# Altium PCB power_board.PcbDoc (part 1 of 2) (continued)
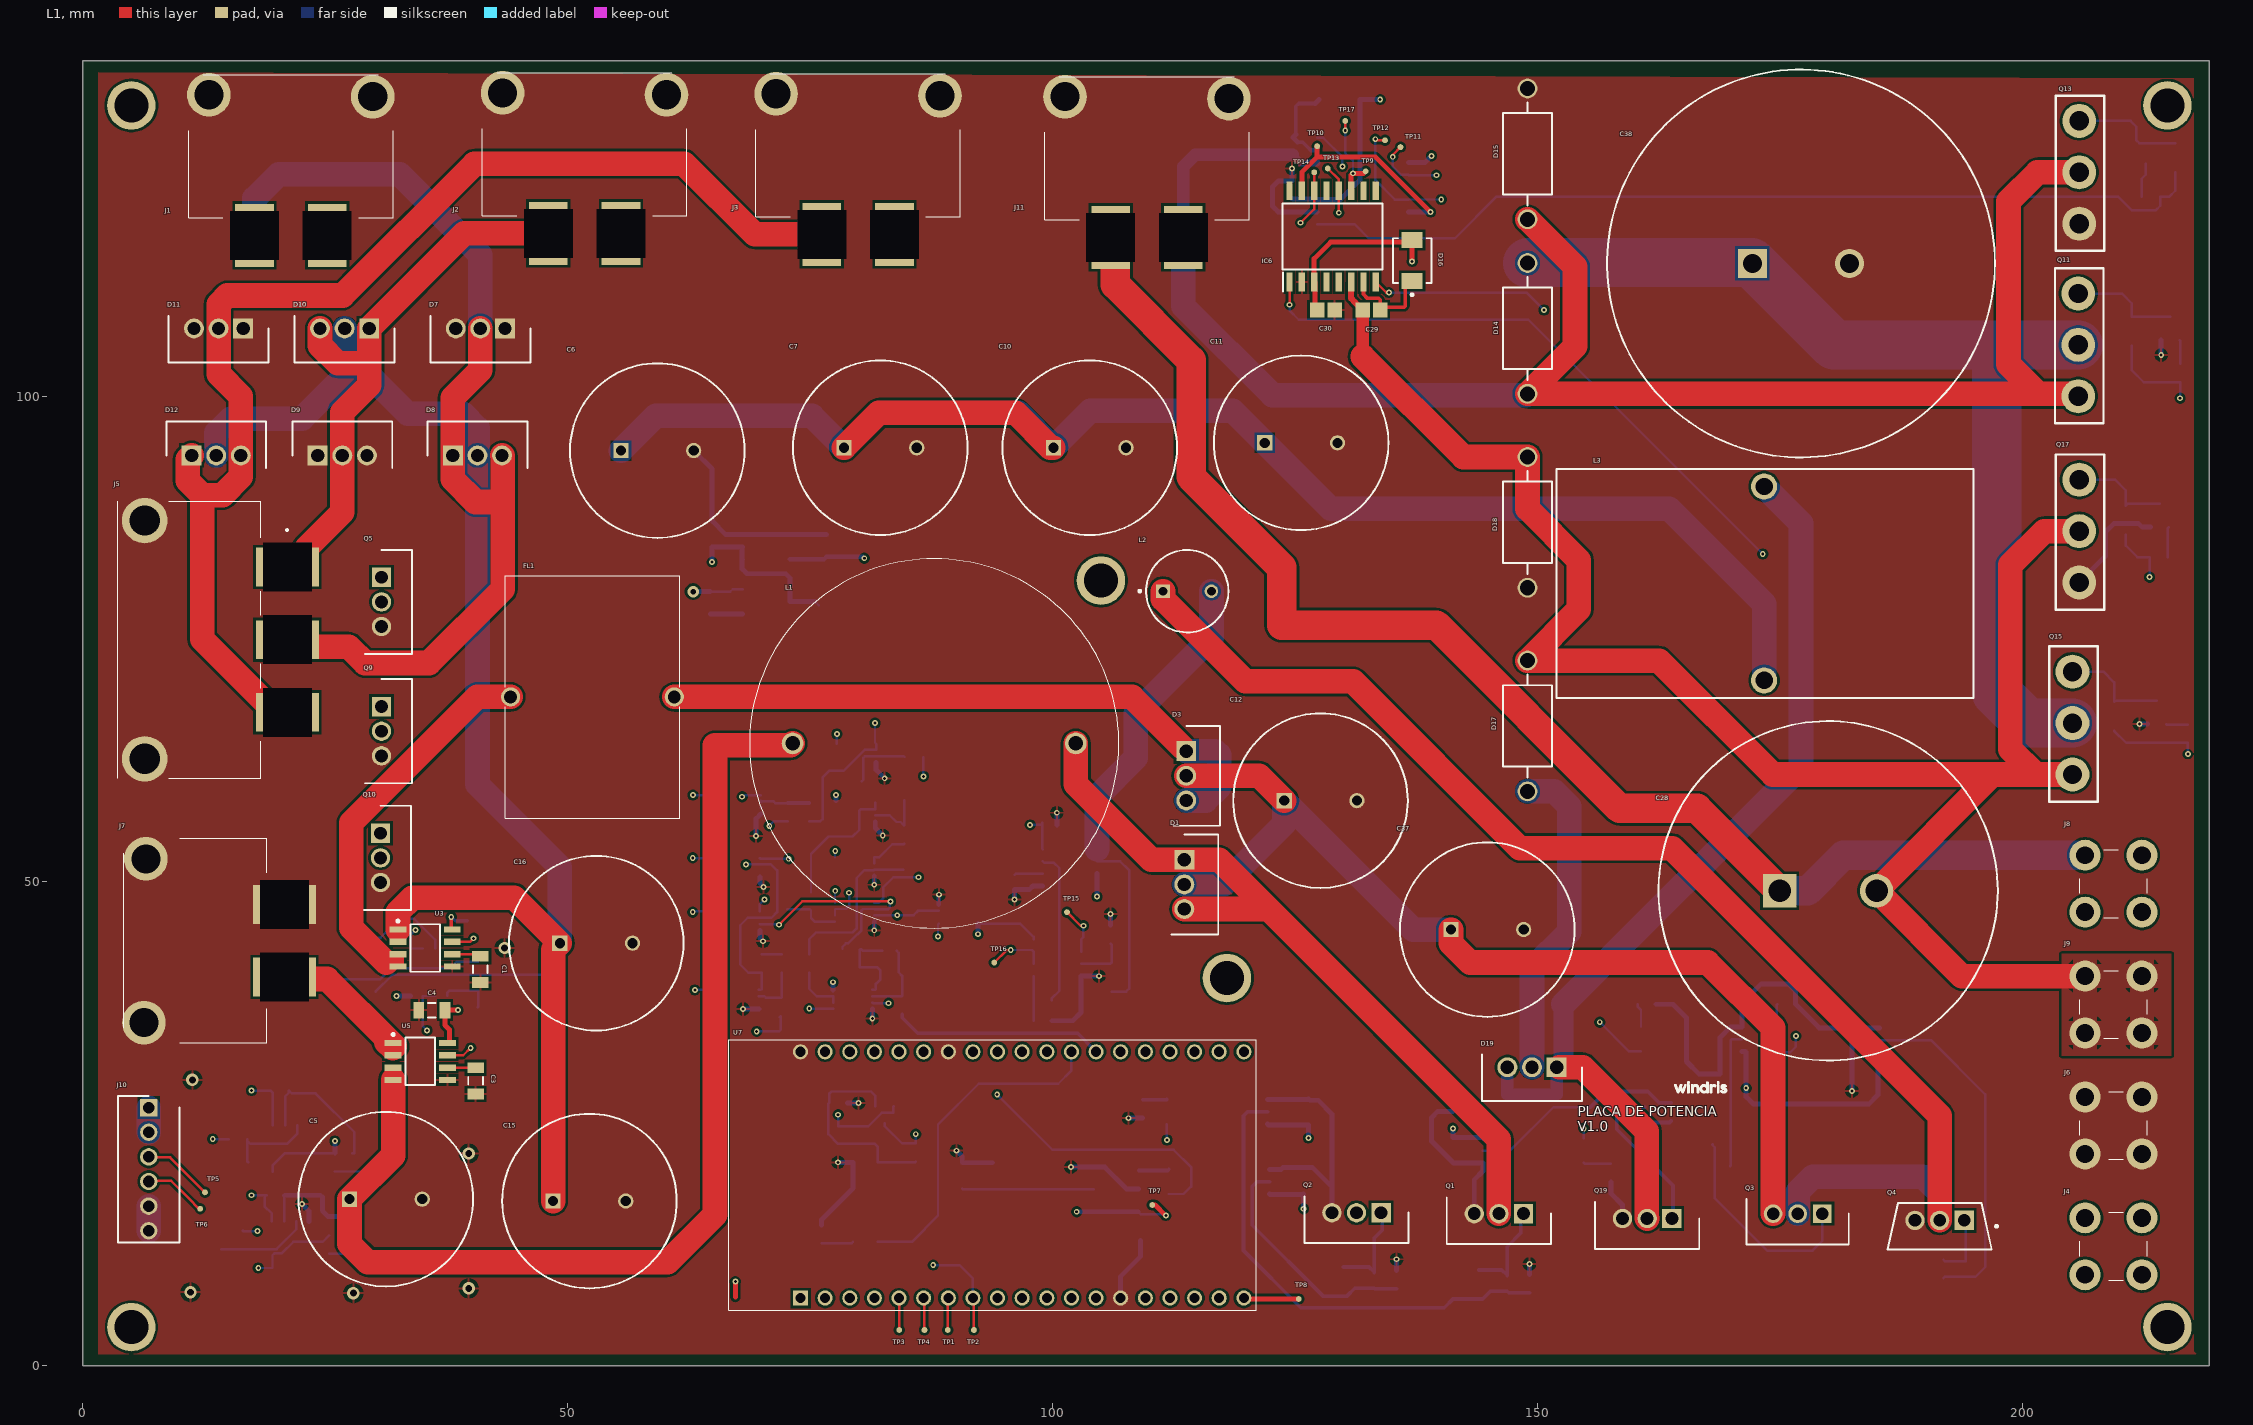
[diagram p0: L1 view]
## Components (designator, comment, footprint, x,y, rotation, side; value= is the part's Value field where it differs from the comment)
C1 "Cap Semi" C1206 41,40.9 r90 top value=1nF/10V
C2 "Cap Semi" C1206 41,45.9 r180 bottom value=100nF/10V
C3 "Cap Semi" C1206 40.5,29.4 r90 top value=1nF/10V
C4 "Cap Semi" C1206 36,36.7 r0 top value=100nF/10V
C5 "1000uF/100V" CAPPRD750W85D1800H3750 27.5,17.2 r0 top
C6 "1000uF/100V" CAPPRD750W85D1800H3750 55.5,94.4 r0 top
C7 "1000uF/100V" CAPPRD750W85D1800H3750 78.5,94.7 r0 top
C8 "Cap Pol1" C1206 126.4,26.2 r90 bottom value=1uF/50V
C9 "Cap Pol1" C1206 125.9,19.1 r90 bottom value=1uF/50V
C10 "1000uF/100V" CAPPRD750W85D1800H3750 100.1,94.7 r0 top
C11 "1000uF/100V" CAPPRD750W85D1800H3750 121.9,95.2 r0 top
C12 "1000uF/100V" CAPPRD750W85D1800H3750 123.9,58.3 r0 top
C13 "Cap Pol1" C1206 170.2,30.1 r180 bottom value=1uF/50V
C14 "Cap Pol1" C1206 183.8,30.2 r180 bottom value=1uF/50V
C15 "1000uF/100V" CAPPRD750W85D1800H3750 48.5,17 r0 top
C16 "1000uF/100V" CAPPRD750W85D1800H3750 49.2,43.6 r0 top
C17 "Cap Semi" C1206 109.1,14.3 r90 bottom value=10uF/25V
C18 "Cap Semi" C1206 93.8,19.6 r270 bottom value=10uF/25V
C19 "Cap Semi" C1206 90.7,19.6 r270 bottom value=100nF/25V
C20 "2.2uF/16V" KEMT-T491-A_L 64.7,78.7 r270 bottom
C21 "Cap Pol1" C1206 75.9,77.1 r270 bottom value=1uF/50V
C22 "2.2uF/16V" KEMT-T491-A_L 76.7,84.6 r90 bottom
C23 "Cap Pol1" C1206 64.9,85.8 r90 bottom value=1uF/50V
C24 "7.5nF/50V" CAPC2013X135X45LL10T25 83.2,42.8 r0 bottom
C25 "1uF/16V" CAPC2013X140X50ML20T25 124.8,125.8 r270 bottom
C26 "1uF/16V" CAPC2013X140X50ML20T25 124.7,121.3 r270 bottom
C27 "1uF/25V" CAPC2013X135X45LL10T25 79.4,41.1 r0 bottom
C28 "470uF/400V" CAPPRD1000W210D3500H3700 175,49 r0 top
C29 "1uF/16V" CAPC2013X140X50ML20T25 132.9,108.9 r0 top
C30 "1uF/16V" CAPC2013X140X50ML20T25 128.2,108.9 r0 top
C31 "220nF/16V" CAPC2013X135X45LL10T25 84.6,50.4 r90 bottom
C32 "220nF/16V" CAPC2013X135X45LL10T25 72.655,47.848 r270 bottom
C33 "220nF/16V" CAPC2013X135X45LL10T25 84.7,59.1 r270 bottom
C34 "220nF/16V" CAPC2013X135X45LL10T25 79.6,60.3 r0 bottom
C35 "1nF/10V" FP-C0805C-DN-MFG 96.1,49.9 r270 bottom value="1,000 pF"
C36 "100nF/10v" FP-C0805C-DN-MFG 99.7,55.8 r0 bottom value="10,000 pF"
C37 "1000uF/100V" CAPPRD750W85D1800H3750 141.1,45 r0 top
C38 "1000uF/450V" CAPPRD1000W180D4000H8200 172.2,113.7 r0 top
C39 "Cap Pol1" C1206 141.3,24.9 r90 bottom value=1uF/50V
D1 "RB228T150NZC9" TO254P480X1010X2100-3P 113.6,52.2 r270 top
D2 "SD0805S020S1R0" DIOM1613X100N 146.9,8.5 r90 bottom
D3 "RB228T150NZC9" TO254P480X1010X2100-3P 113.8,63.4 r270 top
D4 "SD0805S020S1R0" DIOM1613X100N 133.2,8.8 r90 bottom
D5 "SD0805S020S1R0" DIOM1613X100N 169.1,20.6 r180 bottom
D6 "SD0805S020S1R0" DIOM1613X100N 194.2,10 r90 bottom
D7 "RB228T150NZC9" TO254P480X1010X2100-3P 43.54,107 r180 top
D8 "RB228T150NZC9" TO254P480X1010X2100-3P 38.16,93.9 r0 top
D9 "RB228T150NZC9" TO254P480X1010X2100-3P 24.22,93.9 r0 top
D10 "RB228T150NZC9" TO254P480X1010X2100-3P 29.54,107 r180 top
D11 "RB228T150NZC9" TO254P480X1010X2100-3P 16.54,107 r180 top
D12 "RB228T150NZC9" TO254P480X1010X2100-3P 11.22,93.9 r0 top
D13 "STPS3L60U" FP-SMB-MFG 129.6,130.6 r0 bottom
D14 "MR851RLG" ONSC-AXIAL_LEAD-2-267-05_V 149,107 r270 top
D15 "MR851RLG" ONSC-AXIAL_LEAD-2-267-05_V 149,125 r90 top
D16 "STPS3L60U" FP-SMB-MFG 137.1,114 r90 top
D17 "MR851RLG" ONSC-AXIAL_LEAD-2-267-05_V 149,66 r90 top
D18 "MR851RLG" ONSC-AXIAL_LEAD-2-267-05_V 149,87 r270 top
D19 "RB228T150NZC9" TO254P480X1010X2100-3P 152,30.8 r180 top
D20 "SD0805S020S1R0" DIOM1613X100N 161.1,25.9 r90 bottom
FL1 "DENO-25-0001" DENO250001 44.12,69 r0 top
IC1 "TLP5754H_D4TP4,E" SOIC127P1105X230-6N 117,26.2 r0 bottom
IC2 "TLP5754H_D4TP4,E" SOIC127P1105X230-6N 117.2,19 r0 bottom
IC3 "TLP5754H_D4TP4,E" SOIC127P1105X230-6N 165.9,33.7 r0 bottom
IC4 "TLP5754H_D4TP4,E" SOIC127P1105X230-6N 180.1,33.6 r0 bottom
IC5 "IR2110STRPBF" SOIC127P1032X265-16N 132,122.2 r0 bottom
IC6 "IR2110STRPBF" SOIC127P1032X265-16N 128.9,116.5 r90 top
IC7 "TLP5754H_D4TP4,E" SOIC127P1105X230-6N 149.6,22.2 r180 bottom
J1 "172043-0202" 1720430202 25.2,116.2 r0 top
J2 "172043-0202" 1720430202 55.5,116.4 r0 top
J3 "172043-0202" 1720430202 83.7,116.3 r0 top
J4 "74651174R" 74651174R 206.5,9.4 r90 top
J5 "172043-0302" 1720430302 21.1,82.39 r90 top
J6 "74651174R" 74651174R 206.5,21.867 r90 top
J7 "172043-0202" 1720430202 21.2,47.6 r90 top
J8 "74651174R" 74651174R 206.5,52.67 r0 top
J9 "74651174R" 74651174R 206.5,40.203 r0 top
J10 "171856-0006" HDRV6W99P0X254_1X6_1509X635X1100P 6.8,26.64 r270 top
J11 "172043-0202" 1720430202 113.5,116 r0 top
L1 "220uH" 1140221KRC 73.2,64.2 r0 top
L2 "RL622-101K-RC" INDR62-500-1100X850X1100 113.9,79.9 r0 top value=57mH
L3 "260uF" ATCA08251MV 173.4,70.7 r90 top
Q1 "IRFI4110GPBF" TO254P483X1018X2095-3P 148.58,15.7 r180 top
Q2 "IRFI4110GPBF" TO254P483X1018X2095-3P 133.9,15.8 r180 top
Q3 "IRF9540NPBF" TO254P469X1042X1967-3P 179.4,15.7 r180 top
Q4 "IRFI4110GPBF" FP-PG-TO220-3-MFG 191.5,14.4 r270 top
Q5 "IRFI4110GPBF" TO254P483X1018X2095-3P 30.8,81.34 r270 top
Q6 "BC816-25HVL" FP-SOT23-IPC_C 82.7,25.9 r270 bottom
Q7 "PC817XNNIP0F" FP-PC817XNNIP0F-MFG 80.7,16.9 r90 bottom
Q8 "2SB1707TL" SOT95P280X100-3N 77.9,25.9 r270 bottom
Q9 "IRFI4110GPBF" TO254P483X1018X2095-3P 30.8,68 r270 top
Q10 "IRFI4110GPBF" TO254P483X1018X2095-3P 30.7,54.94 r270 top
Q11 "SCT30N120" TO-247-3 205.8,105.3 r270 top
Q12 "2SB1707TL" SOT95P280X100-3N 215.3,107 r90 bottom
Q13 "SCT30N120" TO-247-3 205.9,123.1 r270 top
Q14 "2SB1707TL" SOT95P280X100-3N 211.8,125.2 r90 bottom
Q15 "SCT30N120" TO-247-3 205.2,66.3 r270 top
Q16 "2SB1707TL" SOT95P280X100-3N 213.9,67.4 r90 bottom
Q17 "SCT30N120" TO-247-3 205.9,86.1 r270 top
Q18 "2SB1707TL" SOT95P280X100-3N 214.2,87.7 r90 bottom
Q19 "IRFI4110GPBF" TO254P483X1018X2095-3P 163.88,15.2 r180 top
R1 "191K, 1/4W, 1%" RESC3216X60N 30.2,40.1 r90 bottom
R2 "191K, 1/4W, 1%" RESC3216X60N 40.8,40.2 r270 bottom
R3 "10K, 1/4W, 1%" RES-0805 29.2,43.6 r0 bottom
R4 "10K, 1/4W, 1%" RES-0805 41.7,36.5 r180 bottom
R5 "100K, 1/4W, 1%" RES-0805 20.3,28.4 r180 bottom
R6 "100K, 1/4W, 1%" RES-0805 26,21 r270 bottom
R7 "100K, 1/4W, 1%" RES-0805 28,21 r90 bottom
R8 "100K, 1/4W, 1%" RES-0805 16,23.4 r0 bottom
R9 "100K, 1/4W, 1%" RES-0805 16.1,21 r0 bottom
R10 "100K, 1/4W, 1%" RES-0805 30,21 r90 bottom
R11 "100K, 1/4W, 1%" RES-0805 19.9,17.6 r180 bottom
R12 "100K, 1/4W, 1%" RES-0805 25.4,12.5 r270 bottom
R13 "100K, 1/4W, 1%" RES-0805 27.4,12.5 r90 bottom
R14 "100K, 1/4W, 1%" RES-0805 16.5,13 r270 bottom
R15 "100K, 1/4W, 1%" RES-0805 14.3,13 r270 bottom
R16 "100K, 1/4W, 1%" RES-0805 29.4,12.5 r90 bottom
R17 "10R, 1/2W, 5%" RESC3216X60N 144,8.4 r90 bottom
R18 "100K, 1/4W, 5%" RES-0805 149.2,8.5 r270 bottom
R19 "470R, 1/4W, 5%" RES-0805 109.3,26.5 r90 bottom
R20 "10R, 1/2W, 5%" RESC3216X60N 130,8.7 r90 bottom
R21 "100K, 1/4W, 5%" RES-0805 135.5,8.9 r270 bottom
R22 "470R, 1/4W, 5%" RES-0805 108.9,19.2 r90 bottom
R23 "10R, 1/2W, 5%" RES-0805 169,22.8 r180 bottom
R24 "550R, 1/4W, 5%" RES-0805 161.3,37.3 r180 bottom
R25 "10R, 1/2W, 5%" RES-0805 191.9,10 r90 bottom
R26 "550R, 1/4W, 5%" RES-0805 175.7,37.3 r180 bottom
R27 "1K, 1/4W, 5%" RES-0805 85.9,22 r90 bottom
R28 "470R, 1/4W, 5%" RES-0805 76.2,13.6 r270 bottom
R29 "10R, 1/2W, 5%" RESC3216X60N 211.3,106.7 r90 bottom
R30 "1K, 1/4W, 5%" RES-0805 216.3,102.4 r90 bottom
R31 "100K, 1/4W, 1%" RES-0805 83.2,40.8 r180 bottom
R32 "1K, 1/4W, 1%" RES-0805 84.5,37.2 r90 bottom
R33 "100K, 1/4W, 5%" RES-0805 79.3,43 r180 bottom
R34 "10R, 1/2W, 5%" RESC3216X60N 215.8,124.6 r90 bottom
R35 "1K, 1/4W, 5%" RES-0805 213.3,120.6 r180 bottom
R36 "1K, 1/4W, 1%" RES-0805 72.1,41.5 r90 bottom
R37 "200R, 1/4W, 1%" RES-0805 70,41.5 r270 bottom
R38 "1K, 1/4W, 1%" RES-0805 72,37 r90 bottom
R39 "10R, 1/2W, 5%" RESC3216X60N 209.5,67 r90 bottom
R40 "1K, 1/4W, 5%" RES-0805 217.1,65.2 r90 bottom
R41 "100K, 1/8W, 1%" RES-0805 72.7,57.1 r270 bottom
R42 "12K, 1/8W, 1%" RES-0805 74.9,57.1 r90 bottom
R43 "120K, 1/8W, 1%" RES-0805 74.9,41.5 r90 bottom
R44 "10R, 1/2W, 5%" RESC3216X60N 210.7,87.2 r90 bottom
R45 "1K, 1/4W, 5%" RES-0805 214.1,83.4 r0 bottom
R46 "120K, 1/8W, 1%" RES-0805 84.7,54.8 r270 bottom
R47 "120K, 1/8W, 1%" RES-0805 85.7,62.8 r0 bottom
R48 "120K, 1/8W, 1%" RES-0805 75.1,47.9 r90 bottom
R49 "191K, 1/4W, 1%" RESC3216X60N 106.1,40.1 r90 bottom
R50 "10K, 1/4W, 1%" RES-0805 106,44.5 r270 bottom
R51 "80K, 1/8W, 1%" RES-0805 99,37.7 r180 bottom
R52 "100K, 1/4W, 1%" RES-0805 99,35.6 r180 bottom
R53 "10R, 1/2W, 5%" RESC3216X60N 156.7,26.7 r0 bottom
R54 "100K, 1/4W, 5%" RES-0805 163.8,26.2 r90 bottom
R55 "470R, 1/4W, 5%" RES-0805 157.6,19.9 r90 bottom
TP1 "TPAD6R" TP06R 89.2,3.7 r90 top
TP2 "TPAD6R" TP06R 91.9,3.7 r90 top
TP3 "TPAD6R" TP06R 84.2,3.7 r90 top
TP4 "TPAD6R" TP06R 86.8,3.7 r90 top
TP5 "TPAD6R" TP06R 12.6,17.9 r90 top
TP6 "TPAD6R" TP06R 12.1,16.2 r90 top
TP7 "TPAD6R" TP06R 110.3,16.6 r90 top
TP8 "TPAD6R" TP06R 125.4,6.9 r90 top
TP9 "TPAD6R" TP06R 132.3,123.2 r90 top
TP10 "TPAD6R" TP06R 127.3,125.8 r90 top
TP11 "TPAD6R" TP06R 135.9,125.7 r90 top
TP12 "TPAD6R" TP06R 134.3,126.4 r90 top
TP13 "TPAD6R" TP06R 128.4,123.5 r90 top
TP14 "TPAD6R" TP06R 127,123.1 r90 top
TP15 "TPAD6R" TP06R 101.5,46.8 r90 top
TP16 "TPAD6R" TP06R 94,41.6 r90 top
TP17 "TPAD6R" TP06R 130.2,128.4 r90 top
U1 "AD8616ARZ-REEL7" ADI-R-8_M 35.7,40.6 r270 bottom
U2 "AD8616ARZ-REEL7" ADI-R-8_N 21.5,22.4 r270 bottom
U3 "ACS712ELCTR-20A-T" ALEG-LC-8_V 35.3,43.1 r270 top
U4 "AD8616ARZ-REEL7" ADI-R-8_N 21.4,12.5 r270 bottom
U5 "ACS712ELCTR-20A-T" ALEG-LC-8_V 34.8,31.4 r270 top
U6 "NCP1117ST50T3G" FP-318H-MFG 101.1,18.2 r180 bottom
U7 "ESP32-DEVKITC-32D" MODULE_ESP32-DEVKITC-32D 93.78,19.7 r90 top
U8 "LK115D50-TR" SO8_M 70.5,78.2 r180 bottom
U9 "LK115D50-TR" SO8_M 70.5,85.1 r0 bottom
U10 "AD8566ARMZ-R2" ADI-RM-8_L 79.4,37.8 r180 bottom
U11 "AD8566ARMZ-R2" ADI-RM-8_L 79.6,46.8 r180 bottom
U12 "AD8566ARMZ-R2" ADI-RM-8_L 90.3,46.6 r0 bottom
U13 "AD8566ARMZ-R2" ADI-RM-8_L 67.7,37.8 r180 bottom
U14 "AD8566ARMZ-R2" ADI-RM-8_L 67.8,45.9 r180 bottom
U15 "AD8566ARMZ-R2" ADI-RM-8_L 67.8,51.4 r180 bottom
U16 "AD8566ARMZ-R2" ADI-RM-8_L 67.9,57.9 r180 bottom
U17 "AD8566ARMZ-R2" ADI-RM-8_L 79.6,51.5 r180 bottom
U18 "AD8566ARMZ-R2" ADI-RM-8_L 79.7,57.1 r180 bottom
U19 "AD8566ARMZ-R2" ADI-RM-8_L 79.8,63.2 r180 bottom
U20 "AD8616ARZ-REEL7" ADI-R-8_M 100.5,42.1 r180 bottom
U21 "ACS712ELCTR-20A-T" ALEG-LC-8_V 101.8,51.4 r270 bottom

## Footprints (in the part's own frame and the unit in brackets; to place one, negate y for a bottom-side part, rotate by r counter-clockwise, add the part's x,y. Pads: shape width x height; smd on the part's side, far side on the other; paste and mask are expansions set on the pad)
1140221KRC [mm]
  round 2.243 hole 1.495: 1(0,0) 2(29.21,0)
  silkscreen extent -4.44,-19.05 33.65,19.05, body extent -4.44,-19.05 33.66,19.05, height 26.53
74651174R [mm]
  round 3.2 hole 1.85: 1(0,0) 2(0,-5.87) 3(5.87,-5.87) 4(5.87,0)
  silkscreen extent -0.57,-6.44 6.44,0.57, body extent -0.5,-6.5 6.5,0.5, height 8
1720430202 [mm]
  rect 4x6.5 hole 5 square: 1(0,0.4) 2(-7.49,0.4)
  round 4.5 hole 3: 3(-12.2,14.9) 4(4.7,14.7)
  silkscreen extent -14.28,2.21 6.8,16.97, body extent -14.14,-2 6.94,17.88, height 13.4
1720430302 [mm]
  rect 4x6.5 hole 5 square: 1(0,0) 2(-7.49,0) 3(-14.98,0)
  round 4.695 hole 3.13: MH1(4.8,14.715) MH2(-19.78,14.715)
  silkscreen extent -21.77,-0.06 6.81,17.49, body extent -21.79,-2.18 6.79,17.7, height 13.4
ADI-R-8_M [mm] "SOIC, 8-Leads, Body 4.9x3.9mm, Pitch 1.27mm, IPC Low Density"
  oval 2.5x0.7 smd: 1(-2.45,1.905) 2(-2.45,0.635) 3(-2.45,-0.635) 4(-2.45,-1.905) 5(2.45,-1.905) 6(2.45,-0.635) 7(2.45,0.635) 8(2.45,1.905)
  silkscreen extent -2.57,-2.5 0.8,2.93, body extent -2,-2.5 2,2.5, height 1.75
ADI-R-8_N [mm] "SOIC, 8-Leads, Body 4.9x3.9mm, Pitch 1.27mm, IPC Medium Density"
  oval 2.2x0.6 smd: 1(-2.4,1.905) 2(-2.4,0.635) 3(-2.4,-0.635) 4(-2.4,-1.905) 5(2.4,-1.905) 6(2.4,-0.635) 7(2.4,0.635) 8(2.4,1.905)
  silkscreen extent -2.52,-2.5 0.9,2.88, body extent -2,-2.5 2,2.5, height 1.75
ADI-RM-8_L [mm] "SOP, 8-Leads, Body 3x3mm, Pitch 0.65mm, IPC High Density"
  oval 1.5x0.45 smd: 1(-2.025,0.975) 2(-2.025,0.325) 3(-2.025,-0.325) 4(-2.025,-0.975) 5(2.025,-0.975) 6(2.025,-0.325) 7(2.025,0.325) 8(2.025,0.975)
  silkscreen extent -2.15,-1.6 0.87,1.87, body extent -1.6,-1.6 1.6,1.6, height 1.1
ALEG-LC-8_V [mm] "SOIC, 8-Leads, Body 4.9x3.9mm, Pitch 1.27mm"
  rect 0.65x1.75 smd: 1(-1.905,-2.8) 2(-0.635,-2.8) 3(0.635,-2.8) 4(1.905,-2.8) 5(1.905,2.8) 6(0.635,2.8) 7(-0.635,2.8) 8(-1.905,2.8)
  silkscreen extent -2.9,-2.92 2.45,1.53, body extent -2.45,-1.95 2.45,1.95, height 1.75
ATCA08251MV [mm]
  round 2.7 hole 1.8: 1(0,0) 2(20,0)
  silkscreen extent -1.8,-21.6 21.8,21.4, body extent -0.92,-21.57 21.02,21.37, height 45.23
C1206 [mm] "Chip Capacitor, Body 3.2x1.6mm, IPC High Density"
  rect 1.1x1.7 smd: 1(-1.35,0) 2(1.35,0)
  silkscreen extent -0.4,-0.75 0.4,0.75, body extent -1.7,-0.9 1.7,0.9, height 1.3
CAPC2013X135X45LL10T25 [mm] "Chip Capacitor, 2-Leads, Body 2.00x1.25mm, IPC High Density"
  rect 1x1.3 smd: 1(-0.75,0) 2(0.75,0)
  body extent -1.05,-0.67 1.05,0.68, height 1.35
CAPC2013X140X50ML20T25 [mm] "Chip Capacitor, 2-Leads, Body 2.00x1.25mm, IPC Low Density"
  rect 1.5x1.55 smd: 1(-0.9,0) 2(0.9,0)
  body extent -1.1,-0.72 1.1,0.72, height 1.4
CAPPRD750W85D1800H3750 [mm]
  rect 1.575x1.575 hole 1.05: 1(0,0)
  round 1.575 hole 1.05: 2(7.5,0)
  silkscreen extent -5.25,-9 12.75,9, body extent -5.5,-9.25 13,9.25, height 37.5
CAPPRD1000W180D4000H8200 [mm]
  rect 3x3 hole 2: 1(0,0)
  round 3 hole 2: 2(10,0)
  silkscreen extent -15,-20 25,20, body extent -15.5,-20.49 25.5,20.49, height 82
CAPPRD1000W210D3500H3700 [mm]
  rect 3.45x3.45 hole 2.3: 1(0,0)
  round 3.45 hole 2.3: 2(10,0)
  silkscreen extent -12.5,-17.5 22.5,17.5, body extent -12.5,-17.5 22.5,17.5, height 37
DENO250001 [mm]
  round 1.98 hole 1.32: 1(0,0) 2(16.88,0)
  silkscreen extent -0.56,-12.5 17.44,12.5, body extent -0.56,-12.5 17.44,12.5, height 25.1
DIOM1613X100N [mm]
  rect 1.15x1.05 smd: 1(-0.8,0) 2(0.8,0)
  silkscreen extent -1.33,-0.65 0.8,0.65, body extent -0.8,-0.65 0.8,0.65, height 1
FP-318H-MFG [mm]
  rect 2x1.5 smd paste+0 mask+0: 1(-3.15,2.3) 2(-3.15,0) 3(-3.15,-2.3)
  rect 2x3.8 smd paste+0 mask+0: 4(3.15,0)
  silkscreen extent -4.88,-3.35 1.85,3.35, body extent -1.85,-3.35 1.85,3.35, height 1.8
FP-C0805C-DN-MFG [mm]
  rect 0.95x1.35 smd paste+0 mask+0: 1(-0.75,0) 2(0.75,0)
  silkscreen extent -1.1,-1.07 1.1,1.07, body extent -1,-0.63 1,0.62, height 0.88
FP-PC817XNNIP0F-MFG [mm]
  rect 2.2x1.7 smd paste+0 mask+0: 1(-4.1,1.27) 2(-4.1,-1.27) 3(4.1,-1.27) 4(4.1,1.27)
  silkscreen extent -5.87,-2.54 3.5,2.54, body extent -5,-2.29 5,2.29, height 4.6
FP-PG-TO220-3-MFG [mm]
  rect 2x2 hole 1.3 paste-1000 mask+0: 1(-0.61,2.54)
  round 2 hole 1.3 paste-1000 mask+0: 2(-0.61,0) 3(-0.61,-2.54)
  silkscreen extent -2.41,-5.38 2.41,6, body extent -2.51,-5.48 2.51,5.48, height 0.25
FP-SMB-MFG [mm]
  rect 1.62x2.18 smd paste+0 mask+0: 1(-2.11,0) 2(2.11,0)
  silkscreen extent -3.65,-1.97 2.3,1.97, body extent -2.67,-1.81 2.68,1.81, height 2.65
FP-SOT23-IPC_C [mm]
  rect 1.055x0.522 smd paste+0 mask+0: 1(-0.875,0.95)
  rrect100% 1.055x0.522 smd paste+0 mask+0: 2(-0.875,-0.95) 3(0.875,0)
  silkscreen extent 0,-1.45 0.65,1.45, body extent -1.15,-1.45 1.15,1.45, height 1.1
HDRV6W99P0X254_1X6_1509X635X1100P [mm]
  rect 1.8x1.8 hole 1.2: 1(0,0)
  round 1.8 hole 1.2: 2(2.54,0) 3(5.08,0) 4(7.62,0) 5(10.16,0) 6(12.7,0)
  silkscreen extent -1.19,-3.18 13.89,3.18, body extent -1.14,-3.17 13.94,3.17, height 10.63
INDR62-500-1100X850X1100 [mm] "THD, 2-Leads, Dia 8.5mm, Pitch 5mm"
  rect 1.4x1.4 hole 0.9: 1(-2.5,0)
  round 1.4 hole 0.9: 2(2.5,0)
  silkscreen extent -5.02,-4.25 4.25,4.25, body extent -4.25,-4.25 4.25,4.25, height 11
KEMT-T491-A_L [mm] "Molded Capacitor, 2-Leads, Body 3.40x1.80mm, IPC High Density"
  rect 1.45x1.15 smd: 1(-1.15,0) 2(1.15,0)
  silkscreen extent -2.37,-0.9 1.7,0.9, body extent -1.7,-0.91 1.7,0.89, height 1.78
MODULE_ESP32-DEVKITC-32D [mm]
  rect 1.56x1.56 hole 1.04: 1(-12.7,19.76)
  round 1.56 hole 1.04: 2(-12.7,17.22) 3(-12.7,14.68) 4(-12.7,12.14) 5(-12.7,9.6) 6(-12.7,7.06) 7(-12.7,4.52) 8(-12.7,1.98) 9(-12.7,-0.56) 10(-12.7,-3.1) 11(-12.7,-5.64) 12(-12.7,-8.18) 13(-12.7,-10.72) 14(-12.7,-13.26) 15(-12.7,-15.8) 16(-12.7,-18.34) 17(-12.7,-20.88) 18(-12.7,-23.42) 19(-12.7,-25.96) 20(12.7,19.76) 21(12.7,17.22) 22(12.7,14.68) 23(12.7,12.14) 24(12.7,9.6) 25(12.7,7.06) 26(12.7,4.52) 27(12.7,1.98) 28(12.7,-0.56) 29(12.7,-3.1) 30(12.7,-5.64) 31(12.7,-8.18) 32(12.7,-10.72) 33(12.7,-13.26) 34(12.7,-15.8) 35(12.7,-18.34) 36(12.7,-20.88) 37(12.7,-23.42) 38(12.7,-25.96)
  silkscreen extent -13.95,-27.25 13.95,27.15, body extent -14.1,-27.93 13.84,27.17, height 6.7
ONSC-AXIAL_LEAD-2-267-05_V [mm] "AXIAL, 2-Leads, Diameter 5.05mm"
  round 2.05 hole 1.55: 1(-6.745,0) 2(6.745,0)
  silkscreen extent -5.32,-2.52 5.32,2.52
RES-0805 [mm]
  rect 0.95x1.4 smd: 1(-0.95,0) 2(0.95,0)
  silkscreen extent 0,-0.53 0,0.53, body extent -1,-0.63 1,0.62, height 0.6
RESC3216X60N [mm]
  rect 1.05x1.8 smd: 1(-1.5,0) 2(1.5,0)
  silkscreen extent 0,-0.7 0,0.7, body extent -1.57,-0.8 1.57,0.8, height 0.6
SO8_M [mm] "SOIC, 8-Leads, Body 4.9x3.9mm, Pitch 1.27mm, IPC Low Density"
  oval 2.5x0.7 smd: 1(-2.45,1.905) 2(-2.45,0.635) 3(-2.45,-0.635) 4(-2.45,-1.905) 5(2.45,-1.905) 6(2.45,-0.635) 7(2.45,0.635) 8(2.45,1.905)
  silkscreen extent -2.58,-2.5 0.8,2.93, body extent -2,-2.5 2,2.5, height 1.75
SOIC127P1032X265-16N [mm]
  rect 1.925x0.65 smd: 1(-4.712,4.445) 2(-4.712,3.175) 3(-4.712,1.905) 4(-4.712,0.635) 5(-4.712,-0.635) 6(-4.712,-1.905) 7(-4.712,-3.175) 8(-4.712,-4.445) 9(4.712,-4.445) 10(4.712,-3.175) 11(4.712,-1.905) 12(4.712,-0.635) 13(4.712,0.635) 14(4.712,1.905) 15(4.712,3.175) 16(4.712,4.445)
  silkscreen extent -5.68,-5.15 3.4,5.15, body extent -5.16,-5.15 5.16,5.15, height 2.65
SOIC127P1105X230-6N [mm]
  rect 1.6x0.65 smd: 1(-5.2,1.27) 2(-5.2,0) 3(-5.2,-1.27) 4(5.2,-1.27) 5(5.2,0) 6(5.2,1.27)
  silkscreen extent -6,-1.92 4.05,1.94, body extent -5.52,-1.92 5.53,1.92, height 2.3
SOT95P280X100-3N [mm]
  rect 1.3x0.6 smd: 1(-1.2,0.95) 2(-1.2,-0.95) 3(1.2,0)
  silkscreen extent -1.85,-1.45 0.2,1.5, body extent -1.4,-1.45 1.4,1.45, height 1
TO254P469X1042X1967-3P [mm]
  rect 1.92x1.92 hole 1.28: 1(0,0)
  round 1.92 hole 1.28: 2(2.54,0) 3(5.08,0)
  silkscreen extent -2.73,-1.5 7.81,3.19, body extent -2.67,-1.5 7.75,3.19, height 18.84
TO254P480X1010X2100-3P [mm]
  rect 2.055x2.055 hole 1.37: 1(0,0)
  round 2.055 hole 1.37: 2(2.54,0) 3(5.08,0)
  silkscreen extent -2.61,-1.3 7.69,3.5, body extent -2.51,-1.3 7.59,3.5, height 20.1
TO254P483X1018X2095-3P [mm]
  rect 1.995x1.995 hole 1.33: 1(0,0)
  round 1.995 hole 1.33: 2(2.54,0) 3(5.08,0)
  silkscreen extent -2.83,-1.7 7.91,3.14, body extent -2.55,-1.7 7.63,3.14, height 19.35
TO-247-3 [mm]
  round 3.5 hole 2: 1(-5.3,0) 2(0,0) 3(5.3,0)
  silkscreen extent -7.9,-2.4 8.1,2.6, body extent -7.85,-2.5 8.05,2.6, height 25.28
TP06R [mm] "Testpoint, round, d=0.6mm"
  round 0.6 smd paste-1: 1(0,0)

## Part data
C1 C3: "KEMET - C0805C102K8RACTU - MLCC CAPACITOR, 1000PF, 10V, X7R, 10%, 0805, FULL REEL", Capacitance=1nF, Case Code (Imperial)=0805, Case Code (Metric)=2012, Dielectric=X7R, Dielectric Material=Ceramic, Manufacturer=KEMET, Manufacturer Part Number=C0805C102K8RACTU, Max Operating Temperature=125°C, Min Operating Temperature=-55°C, Package Quantity=1, Supplier Part Number 1=80-C0805C102K8R, Tolerance=10%, Voltage rating=10V, Case/Package=0805, Category="Ceramic Capacitors", ComponentLink1Description=http://www.mouser.com/ds/2/212/KEM_C1002_X7R_SMD-1102033.pdf?src-supplier=Mouser, ComponentLink1URL=http://www.mouser.com/ds/2/212/KEM_C1002_X7R_SMD-1102033.pdf?src-supplier=Mouser, ComponentLink2Description=https://search.kemet.com/component-edge/download/datasheet/C0805C102K8RACTU.pdf?src-supplier=Digi-Key, ComponentLink2URL=https://search.kemet.com/component-edge/download/datasheet/C0805C102K8RACTU.pdf?src-supplier=Digi-Key, ComponentLink3Description=https://api.kemet.com/component-edge/download/datasheet/C0805C102K8RACTU.pdf?src-supplier=Digi-Key, ComponentLink3URL=https://api.kemet.com/component-edge/download/datasheet/C0805C102K8RACTU.pdf?src-supplier=Digi-Key, ComponentLink4Description=http://capacitoredge.kemet.com/capedge2/DataSheet?pn=C0805C102K8RACTU&src-supplier=Avnet, ComponentLink4URL=http://capacitoredge.kemet.com/capedge2/DataSheet?pn=C0805C102K8RACTU&src-supplier=Avnet, ComponentLink5Description=http://www.farnell.com/datasheets/2627200.pdf?src-supplier=Newark, ComponentLink5URL=http://www.farnell.com/datasheets/2627200.pdf?src-supplier=Newark, Construction=Flat, Contact Plating=Tin,Matte, Height=0.78mm, LatestRevisionDate=29-May-2009, LatestRevisionNote="IPC-7351 Footprint Added.", Length=2mm, Mount="Surface Mount", PackageDescription="Chip Capacitor", PackageReference=C1206, Packaging="Tape and Reel", Pricing 1="1=0.30000, 10=0.15600, 50=0.15600, 100=0.09300, 1000=0.07300, 10000=0.05100 (USD)", Published=8-Jun-2000, Publisher="Altium Limited", REACH SVHC="No SVHC", RoHS=Yes, RoHS Compliant=Yes, Series=C, Stock 1=10223, Supplier 1=Mouser, Termination=SMD/SMT, Thickness=0.035inch, Voltage Rating (DC)=10V, Width=0.049inch
C2 C4: "Multilayer Ceramic Capacitors MLCC - SMD/SMT 10volts 0.1uF X7R 20%", Capacitance=100nF, Case Code (Imperial)=1206, Case Code (Metric)=3216, Dielectric=X7R, Dielectric Material=Ceramic, Manufacturer=KEMET, Manufacturer Part Number=C1206C104M8RACTU, Max Operating Temperature=125°C, Min Operating Temperature=-55°C, Package Quantity=4000, Supplier Part Number 1=80-C1206C104M8R, Tolerance=20%, Voltage rating=10V, Case/Package=1206, Category="Ceramic Capacitors", ComponentLink1Description=http://www.mouser.com/ds/2/212/KEM_C1002_X7R_SMD-1102033.pdf?src-supplier=Mouser, ComponentLink1URL=http://www.mouser.com/ds/2/212/KEM_C1002_X7R_SMD-1102033.pdf?src-supplier=Mouser, ComponentLink2Description=http://components.arrow.com/part/dataview/3457921S8615974N7429?src-supplier=Arrow+Electronics, ComponentLink2URL=http://components.arrow.com/part/dataview/3457921S8615974N7429?src-supplier=Arrow+Electronics, ComponentLink3Description=https://search.kemet.com/component-edge/download/datasheet/C1206C104M8RACTU.pdf?src-supplier=Digi-Key, ComponentLink3URL=https://search.kemet.com/component-edge/download/datasheet/C1206C104M8RACTU.pdf?src-supplier=Digi-Key, Construction=Flat, Depth=1.6mm, Height=0.78mm, LatestRevisionDate=29-May-2009, LatestRevisionNote="IPC-7351 Footprint Added.", Length=3.2mm, Mount="Surface Mount", PackageDescription="Chip Capacitor", PackageReference=C1206, Packaging="Tape and Reel", Pricing 1="1=0.41000, 10=0.24000, 50=0.24000, 100=0.15000, 1000=0.12000, 10000=0.08000 (USD)", Published=8-Jun-2000, Publisher="Altium Limited", RoHS=Yes, RoHS Compliant=Yes, Series=C, Stock 1=1591, Supplier 1=Mouser, Termination=SMD/SMT, Thickness=0.035inch, Voltage Rating (DC)=10V, Weight=0.000571oz, Width=0.063inch
C5 C6 C7 C10 C11 C12 C15 C16 C37: library part ECA-2AHG102, "Aluminum Electrolytic Capacitors - Leaded 1000uF 100V", Capacitance=1mF, Case/Package=Radial, Leakage Current=3uA, Manufacturer=Panasonic, Max Operating Temperature=105°C, Min Operating Temperature=-55°C, Mouser Part Number=667-ECA-2AHG102, Package Quantity=50, Ripple Current=985mA, Tolerance=20%, Voltage=100V, Arrow Part Number=ECA-2AHG102, Arrow Price/Stock=https://www.arrow.com/en/products/eca-2ahg102/panasonic, Category="Aluminum Electrolytic Capacitors", ComponentLink1Description=https://datasheet.ciiva.com/2984/aba0000ce26-2984390.pdf?src-supplier=Avnet, ComponentLink1URL=https://datasheet.ciiva.com/2984/aba0000ce26-2984390.pdf?src-supplier=Avnet, ComponentLink2Description=https://datasheet.ciiva.com/43459/1790596-43459676.pdf?src-supplier=Farnell, ComponentLink2URL=https://datasheet.ciiva.com/43459/1790596-43459676.pdf?src-supplier=Farnell, ComponentLink3Description=https://datasheet.ciiva.com/24027/aba0000ce26-372437-24027279.pdf?src-supplier=Mouser, ComponentLink3URL=https://datasheet.ciiva.com/24027/aba0000ce26-372437-24027279.pdf?src-supplier=Mouser, ComponentLink4Description=https://datasheet.ciiva.com/30158/8aba0000ce26-30158524.pdf?src-supplier=Onlinecomponents.com, ComponentLink4URL=https://datasheet.ciiva.com/30158/8aba0000ce26-30158524.pdf?src-supplier=Onlinecomponents.com, ComponentLink5Description=https://datasheet.ciiva.com/16387/aba0000ce26-16387053.pdf?src-supplier=Future+Electronics, ComponentLink5URL=https://datasheet.ciiva.com/16387/aba0000ce26-16387053.pdf?src-supplier=Future+Electronics, ComponentLink6Description=https://datasheet.ciiva.com/14594/70067776-14594090.pdf?src-supplier=Allied+Electronics, ComponentLink6URL=https://datasheet.ciiva.com/14594/70067776-14594090.pdf?src-supplier=Allied+Electronics, ComponentLink7Description=https://datasheet.ciiva.com/15198/getdatasheetpartid-470872-15198006.pdf?src-supplier=Verical, ComponentLink7URL=https://datasheet.ciiva.com/15198/getdatasheetpartid-470872-15198006.pdf?src-supplier=Verical, ComponentLink8Description=https://datasheet.ciiva.com/17533/aba0000ce26-17533421.pdf?src-supplier=Avnet+Europe, ComponentLink8URL=https://datasheet.ciiva.com/17533/aba0000ce26-17533421.pdf?src-supplier=Avnet+Europe, ComponentLink9Description=https://datasheet.ciiva.com/29248/792491-da-01-en-elko-nhg-r-1000uf-100v-105c-29248620.pdf?src-supplier=Conrad, ComponentLink9URL=https://datasheet.ciiva.com/29248/792491-da-01-en-elko-nhg-r-1000uf-100v-105c-29248620.pdf?src-supplier=Conrad, Construction=RADIAL, Contact Plating=Tin, Datasheet Link=http://www.mouser.com/ds/2/315/ABA0000C1215-1109177.pdf, Diameter=18mm, Dissipation Factor=0.08%, Height=37.5mm, Height - Seated (Max)=1.476inch, Lead Diameter=0.8mm, Lead Free="Lead Free", Lead Pitch=7.5mm, Lead/Base Style=Straight, Length=35.5mm, Life (Hours)=2000Hour, Manufacturer Part Number=ECA-2AHG102, Manufacturer_Name=Panasonic, Manufacturer_Part_Number=ECA-2AHG102, Mount="Through Hole,PCB", Mouser Price/Stock=https://www.mouser.co.uk/ProductDetail/Panasonic/ECA-2AHG102/?qs=rrcJgg%2Fw9KxYcZZHtVYgiQ%3D%3D, Number of Pins=2, Packaging=Bulk, Pricing 1="1=2.62000, 10=1.75000, 50=1.75000, 100=1.60000, 1000=1.07000, 10000=1.07000 (USD)", Radiation Hardening=No, REACH SVHC="No SVHC", RoHS=Yes, RoHS Compliant=Yes, Series=NHG, Stock 1=994, Supplier 1=Mouser, Supplier Part Number 1=667-ECA-2AHG102, Termination=Radial, Voltage rating=100V, Voltage Rating (DC)=100V, Width=18mm
C8 C9 C13 C14 C21 C23 C39: "KEMET         T491A105K050AT            Surface Mount Tantalum Capacitor, T491 Series, 1 F,  10%, 50 V, 1206 [3216 Metric], A", Capacitance=1uF, Case Code (Imperial)=1206, Case Code (Metric)=3216, Case/Package=Molded, ESR (Equivalent Series Resistance)=7R, Manufacturer=KEMET, Manufacturer Part Number=T491A105K050AT, Max Operating Temperature=125°C, Min Operating Temperature=-55°C, Supplier Part Number 1=80-T491A105K050AT, Tolerance=10%, Voltage rating=50V, Category="Tantalum Capacitors", ComponentLink1Description=https://datasheet.ciiva.com/7972/1854511-7972911.pdf?src-supplier=Element14, ComponentLink1URL=https://datasheet.ciiva.com/7972/1854511-7972911.pdf?src-supplier=Element14, Depth=1.6mm, Dissipation Factor=4%, LatestRevisionDate=17-Jul-2002, LatestRevisionNote="Re-released for DXP Platform.", Lead Free="Lead Free", Length=3.2mm, PackageDescription="Polarized Capacitor (Radial); 2 Leads", PackageReference=RB7.6-15, Packaging="Cut Tape", Polarity=Polar, Pricing 1="1=0.86000, 10=0.53600, 50=0.53600, 100=0.37800, 1000=0.31600, 10000=0.24700 (USD)", Published=8-Jun-2000, Publisher="Altium Limited", REACH SVHC="No SVHC", RoHS=Yes, RoHS Compliant=Yes, Stock 1=5526, Supplier 1=Mouser, Voltage Rating (DC)=50V
C17 C18: "Cap Ceramic 10uF 25V X7R 20% Pad SMD 1206 125C Automotive T/R", Capacitance=10uF, Case Code (Imperial)=0402, Case Code (Metric)=1005, Case/Package=1206, Current Rating=1A, DC Resistance (DCR)=40mR, Inductance=1.8nH, Manufacturer=KEMET, Manufacturer Part Number=C1206C106M3RACAUTO, Max Operating Temperature=125°C, Min Operating Temperature=-55°C, Ratings=AEC-Q200, Self Resonant Frequency=9GHz, Supplier Part Number 1=80-C1206C106M3RAUTO, Test Frequency=100MHz, Tolerance=20%, Voltage rating=25V, Category="Ceramic Capacitors", ComponentLink1Description=http://www.farnell.com/datasheets/2741398.pdf?src-supplier=Farnell, ComponentLink1URL=http://www.farnell.com/datasheets/2741398.pdf?src-supplier=Farnell, ComponentLink2Description=https://api.kemet.com/component-edge/download/datasheet/C1206C106M3RACAUTO.pdf?src-supplier=Digi-Key, ComponentLink2URL=https://api.kemet.com/component-edge/download/datasheet/C1206C106M3RACAUTO.pdf?src-supplier=Digi-Key, ComponentLink3Description=http://www.farnell.com/datasheets/2741398.pdf?src-supplier=Newark, ComponentLink3URL=http://www.farnell.com/datasheets/2741398.pdf?src-supplier=Newark, Core Material=Air, LatestRevisionDate=29-May-2009, LatestRevisionNote="IPC-7351 Footprint Added.", Mount="Surface Mount", PackageDescription="Chip Capacitor", PackageReference=C1206, Packaging="Cut Tape", Pricing 1="1=0.78000, 10=0.42000, 50=0.42000, 100=0.36600, 1000=0.23000, 10000=0.23000 (USD)", Published=8-Jun-2000, Publisher="Altium Limited", RoHS=Yes, RoHS Compliant=Yes, Shielding=Unshielded, Stock 1=16243, Supplier 1=Mouser
C19: "CAP CER 1206 0.1UF 25V C0G 5%", Capacitance=100nF, Case/Package=1206, Manufacturer=KEMET, Manufacturer Part Number=C1206C104J3GEC7210, Max Operating Temperature=125°C, Min Operating Temperature=-55°C, Supplier Part Number 1=80-C1206C104J3GECLR, Tolerance=5%, Voltage rating=25V, ComponentLink1Description=https://api.kemet.com/component-edge/download/datasheet/C1206C104J3GEC7210.pdf?src-supplier=Digi-Key, ComponentLink1URL=https://api.kemet.com/component-edge/download/datasheet/C1206C104J3GEC7210.pdf?src-supplier=Digi-Key, LatestRevisionDate=29-May-2009, LatestRevisionNote="IPC-7351 Footprint Added.", Mount="Surface Mount", PackageDescription="Chip Capacitor", PackageReference=C1206, Packaging="Tape and Reel", Pricing 1="1=0.98000, 10=0.65400, 50=0.65400, 100=0.40700, 1000=0.30800, 10000=0.25300 (USD)", Published=8-Jun-2000, Publisher="Altium Limited", RoHS=Yes, RoHS Compliant=Yes, Stock 1=29008, Supplier 1=Mouser
C20 C22: library part CMP-2000-07187-1, "Tantalum Capacitor, 2.2 uF, +/- 10%, 16 V, -55 to 125 degC, 2-Pin SMD, RoHS, Tape and Reel", Capacitance=2200000pF, Case Code=A, Case Code (Imperial)=1206, Case Code (Metric)=3216, Case Style=Molded, Dielectric Material=Tantalum, ESR (Equivalent Series Resistance)=6R, Leakage Current=500nA, Manufacturer=Kemet, Manufacturer Part Number=T491A225K016AT, Max Operating Temperature=125°C, Min Operating Temperature=-55°C, Operating Temp Range=-55Cto125C, Package / Case=3216-18, Package Description="2-Pin Surface Mount Device, Body 3.2 x 1.6 mm", Package Quantity=1, Package Reference=T491-A, Supplier Part Number 1=80-T491A225K016, Tolerance=10%, Voltage=16VDC, Voltage rating=16V, Case/Package=1206, Category="Tantalum Capacitors", ComponentLink1Description=https://datasheet.ciiva.com/27052/1573329-27052562.pdf?src-supplier=Jameco, ComponentLink1URL=https://datasheet.ciiva.com/27052/1573329-27052562.pdf?src-supplier=Jameco, ComponentLink2Description=https://datasheet.ciiva.com/11793/0900766b80718482-11793333.pdf?src-supplier=RSComponents, ComponentLink2URL=https://datasheet.ciiva.com/11793/0900766b80718482-11793333.pdf?src-supplier=RSComponents, ComponentLink3Description=https://datasheet.ciiva.com/7696/1776109-7696304.pdf?src-supplier=Element14, ComponentLink3URL=https://datasheet.ciiva.com/7696/1776109-7696304.pdf?src-supplier=Element14, ComponentLink4Description=https://datasheet.ciiva.com/257/kem-t2005-t491-257413.pdf?src-supplier=Digi-Key, ComponentLink4URL=https://datasheet.ciiva.com/257/kem-t2005-t491-257413.pdf?src-supplier=Digi-Key, ComponentLink5Description=https://datasheet.ciiva.com/257/kem-t2005-t491-257414.pdf?src-supplier=Digi-Key, ComponentLink5URL=https://datasheet.ciiva.com/257/kem-t2005-t491-257414.pdf?src-supplier=Digi-Key, ComponentLink6Description=https://datasheet.ciiva.com/257/kem-t2005-t491-257415.pdf?src-supplier=Digi-Key, ComponentLink6URL=https://datasheet.ciiva.com/257/kem-t2005-t491-257415.pdf?src-supplier=Digi-Key, ComponentLink7Description=https://datasheet.ciiva.com/5934/1854511-5934533.pdf?src-supplier=Farnell, ComponentLink7URL=https://datasheet.ciiva.com/5934/1854511-5934533.pdf?src-supplier=Farnell, ComponentLink8Description=https://datasheet.ciiva.com/12910/kem-t2005-t491-12910990.pdf?src-supplier=Mouser, ComponentLink8URL=https://datasheet.ciiva.com/12910/kem-t2005-t491-12910990.pdf?src-supplier=Mouser, ComponentLink9Description=https://datasheet.ciiva.com/7696/1446014-7696302.pdf?src-supplier=Element14, ComponentLink9URL=https://datasheet.ciiva.com/7696/1446014-7696302.pdf?src-supplier=Element14, ComponentLink10Description=https://datasheet.ciiva.com/7696/1854511-7696303.pdf?src-supplier=Element14, ComponentLink10URL=https://datasheet.ciiva.com/7696/1854511-7696303.pdf?src-supplier=Element14, ComponentLink11Description=https://datasheet.ciiva.com/18095/getdatasheetpartid-120946-18095941.pdf?src-supplier=Verical, ComponentLink11URL=https://datasheet.ciiva.com/18095/getdatasheetpartid-120946-18095941.pdf?src-supplier=Verical, Construction=SMTChip, Datasheet URL=http://capacitoredge.kemet.com/capedge2/DataSheet/Datasheet-T491A225K016AT.pdf?pn=T491A225K016AT, Datasheet Version=10/2016, DCL=0.4uA, Depth=1.6mm, DF=6%, Dissipation Factor=6%, ESR=6ohm, Failure Rate=NotRequired, Features="General Purpose", Height=1.6mm, Height - Seated (Max)=0.071inch, Insulation=NotRequired, Lead Free="Lead Free", Lead Spacing (nom)=NotRequiredmm, Length=3.2mm, Length W/Weld=NotRequiredmm, Length W/Weld (max)=NotRequiredmm, Life (Hours)=2000Hour, Manufacturer URL=http://www.kemet.com/, Mount="Surface Mount,PCB", Mounting Style=SurfaceMount, Mounting Technology=SurfaceMount, Number of Pins=2, Packaging=TapeandReel, Polarity=Polar, Pricing 1="1=0.38000, 10=0.22000, 50=0.22000, 100=0.13300, 1000=0.10900, 10000=0.08000 (USD)", Product Depth (mm)=1.6mm, Product Diameter (mm)=NotRequiredmm, Product Height (mm)=1.6mm, Product Length (mm)=3.2mm, Rad Hardened=No, Radiation Hardening=No, REACH SVHC="No SVHC", RoHS=Yes, RoHS Compliant=Yes, Seal=NotRequired, Seated Plane Height=NotRequiredmm, Stock 1=27935, Supplier 1=Mouser, Termination=SMD/SMT, Tolerance (+ or -)=10%, Voltage Rating (DC)=16V, Width=1.6mm, Wire Form=NotRequired